# KiCad board multi-channel-cremat-amplifier.kicad_pcb (continued)
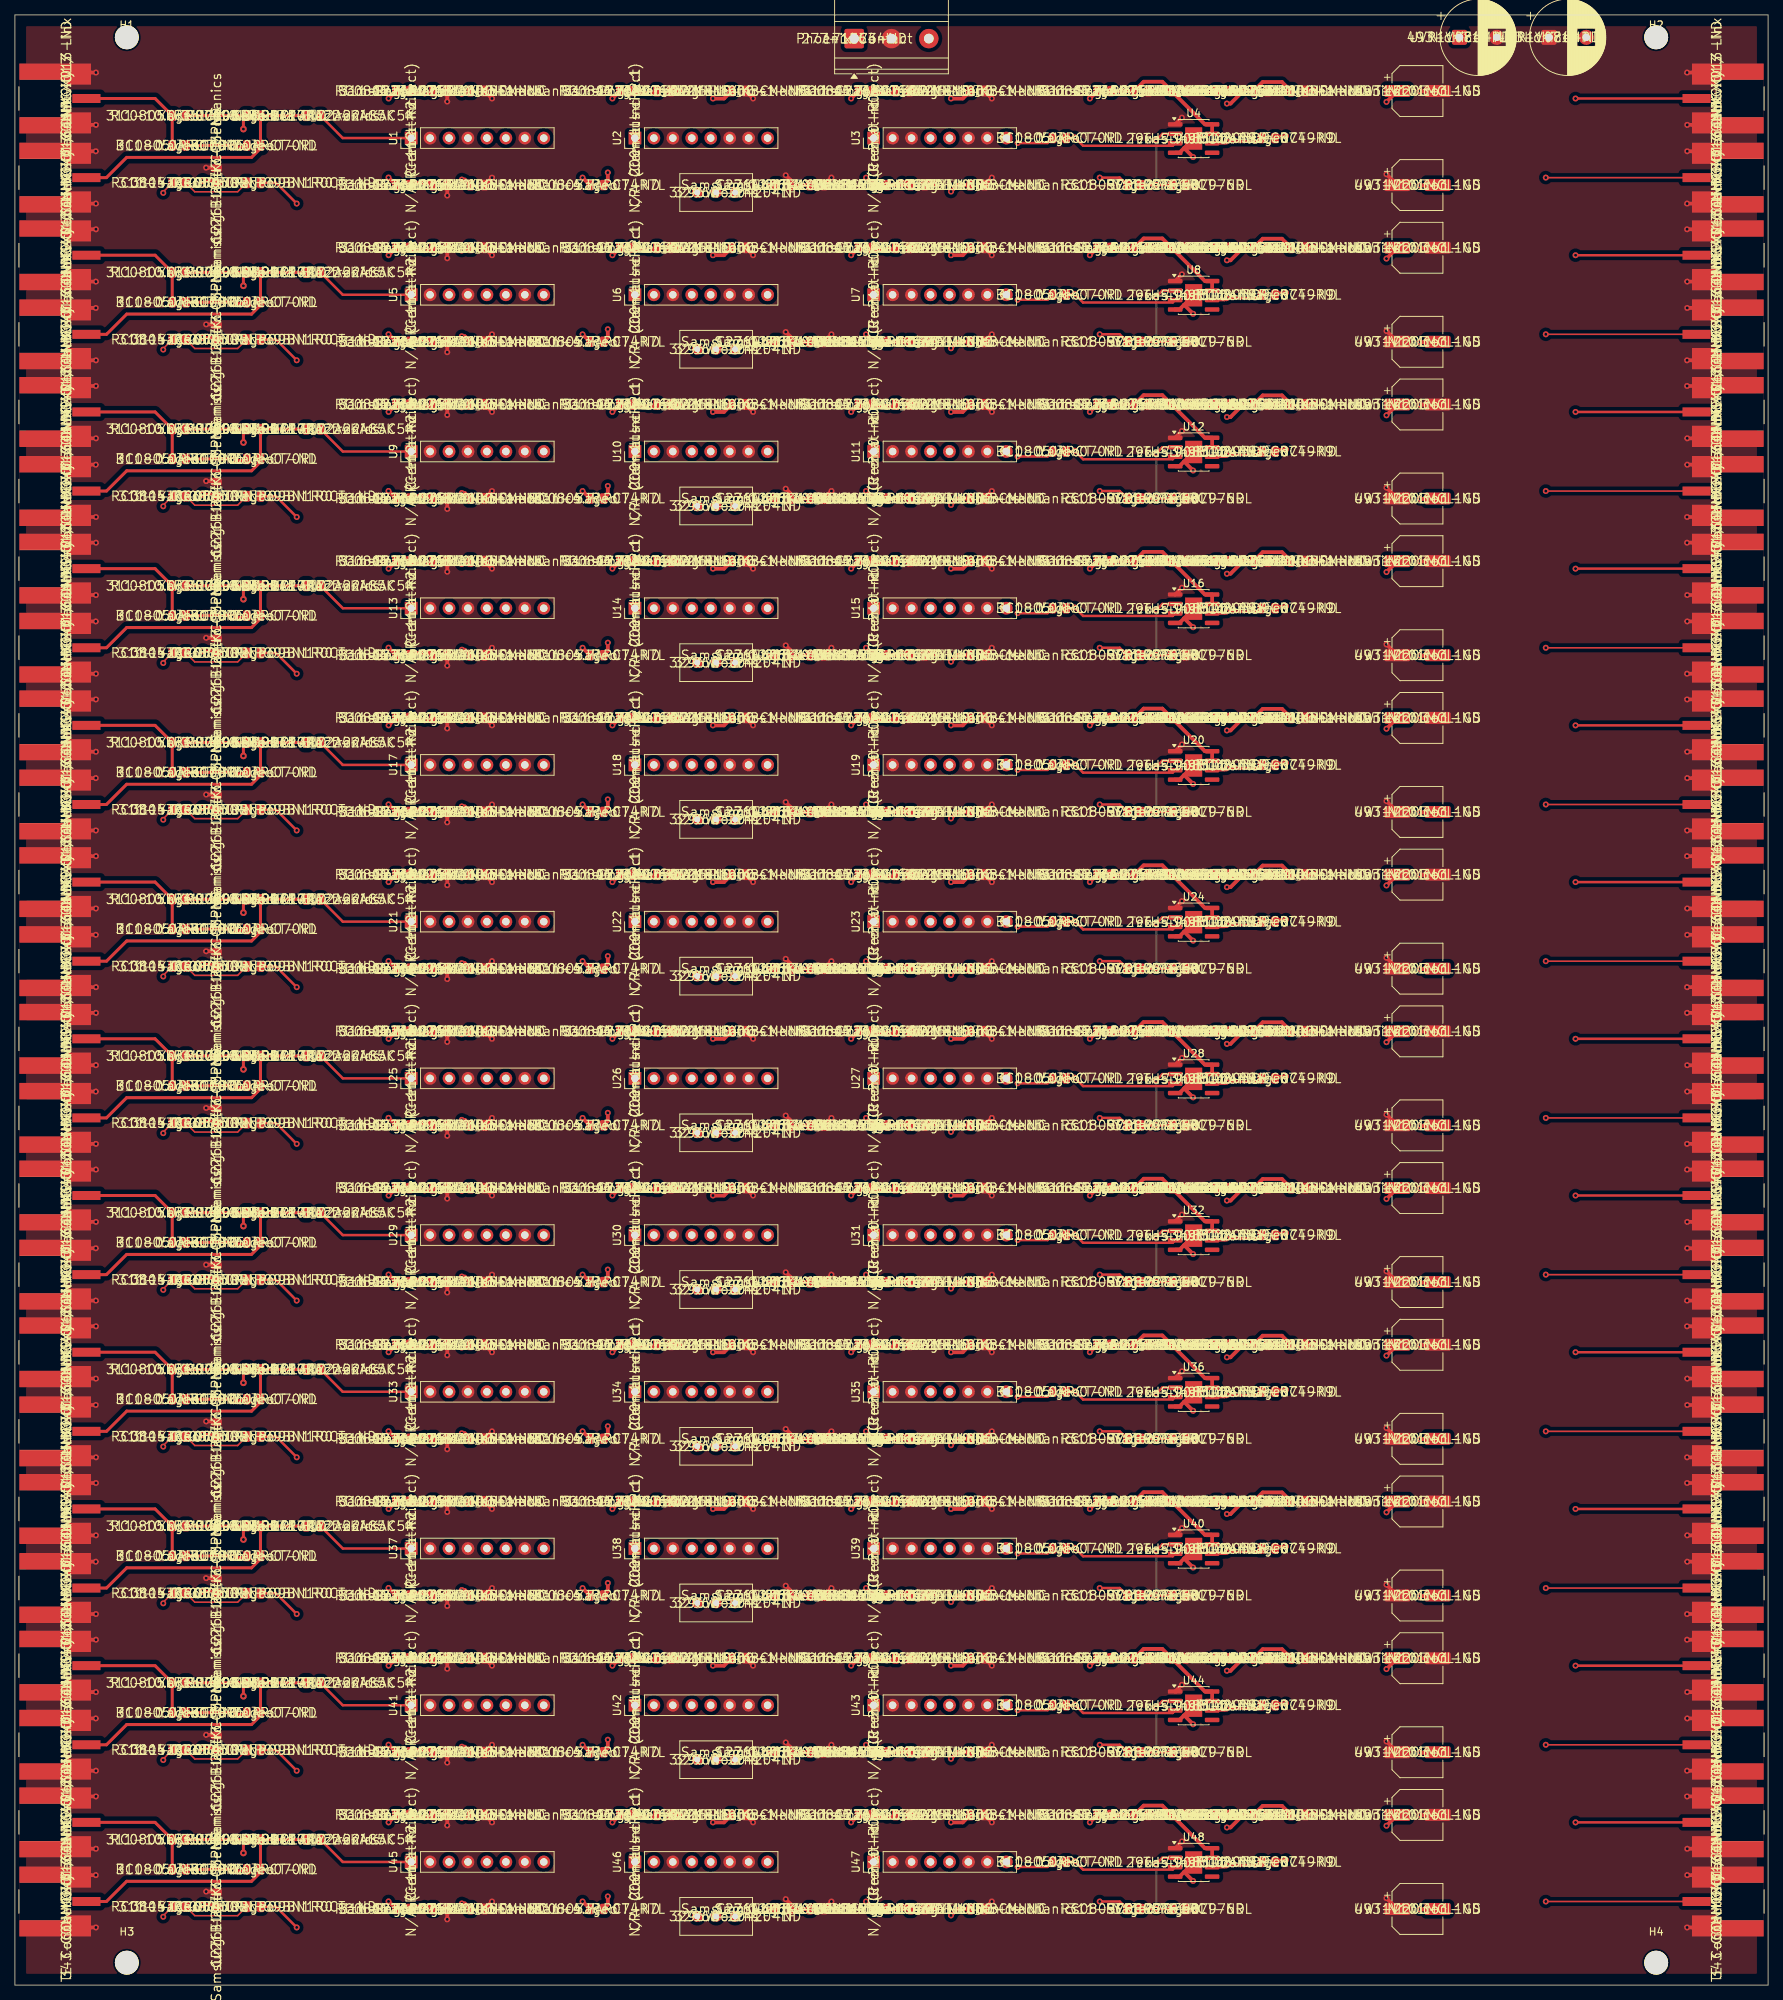
[diagram p0: board, top side]
## Routing (per net, layer and track width the routed paths; a pad name or vN(x,y) marks a point on that pad's centre or on a via; arc(x,y) is an arc through that point) (continued)
/SH_OUT_ch09: length 41.1
  Top w0.33: R148.1 138.42,78.84 v1(134.4,78.84)
  GND.Cu w0.33: U35.1 116.33,79.5 116.33,79.96 117.09,80.72 123.3,80.72 123.96,80.06 123.96,79.02 124.73,78.25 133.82,78.25 v1(134.4,78.84)
  PWR.Cu w0.33: U34.8 U35.1
/SH_OUT_ch10: length 41.1
  Top w0.33: R165.1 138.42,57.84 v1(134.4,57.84)
  GND.Cu w0.33: U39.1 116.33,58.5 116.33,58.96 117.09,59.72 123.3,59.72 123.96,59.06 123.96,58.02 124.73,57.25 133.82,57.25 v1(134.4,57.84)
  PWR.Cu w0.33: U38.8 U39.1
/SH_OUT_ch11: length 41.1
  Top w0.33: v1(134.4,36.84) 138.42,36.84 R182.1
  GND.Cu w0.33: U43.1 116.33,37.5 116.33,37.96 117.09,38.72 123.3,38.72 123.96,38.06 123.96,37.02 124.73,36.25 133.82,36.25 v1(134.4,36.84)
  PWR.Cu w0.33: U42.8 U43.1
/SH_OUT_ch12: length 41.1
  Top w0.33: R199.1 138.42,15.84 v1(134.4,15.84)
  GND.Cu w0.33: U47.1 116.33,16.5 116.33,16.96 117.09,17.72 123.3,17.72 123.96,17.06 123.96,16.02 124.73,15.25 133.82,15.25 v1(134.4,15.84)
  PWR.Cu w0.33: U46.8 U47.1
/SHAPER_OUT_ch01: length 24.5
  Top w0.33: R12.2 141.94,247.5 v1(142.04,247.6) 143.18,246.46 155.19,246.46 U4.3
  PWR.Cu w0.33: v1(142.04,247.6) 132.99,247.6 U3.8
/SHAPER_OUT_ch02: length 24.5
  Top w0.33: U8.3 155.19,225.46 143.18,225.46 v1(142.04,226.6) 141.94,226.5 R29.2
  PWR.Cu w0.33: U7.8 132.99,226.6 v1(142.04,226.6)
/SHAPER_OUT_ch03: length 24.5
  Top w0.33: R46.2 141.94,205.5 v1(142.04,205.6) 143.18,204.46 155.19,204.46 U12.3
  PWR.Cu w0.33: U11.8 132.99,205.6 v1(142.04,205.6)
/SHAPER_OUT_ch04: length 24.5
  Top w0.33: R63.2 141.94,184.5 v1(142.04,184.6) 143.18,183.46 155.19,183.46 U16.3
  PWR.Cu w0.33: U15.8 132.99,184.6 v1(142.04,184.6)
/SHAPER_OUT_ch05: length 24.5
  Top w0.33: U20.3 155.19,162.46 143.18,162.46 v1(142.04,163.6) 141.94,163.5 R80.2
  PWR.Cu w0.33: U19.8 132.99,163.6 v1(142.04,163.6)
/SHAPER_OUT_ch06: length 24.5
  Top w0.33: U24.3 155.19,141.46 143.18,141.46 v1(142.04,142.6) 141.94,142.5 R97.2
  PWR.Cu w0.33: v1(142.04,142.6) 132.99,142.6 U23.8
/SHAPER_OUT_ch07: length 24.5
  Top w0.33: U28.3 155.19,120.46 143.18,120.46 v1(142.04,121.6) 141.94,121.5 R114.2
  PWR.Cu w0.33: U27.8 132.99,121.6 v1(142.04,121.6)
/SHAPER_OUT_ch08: length 24.5
  Top w0.33: R131.2 141.94,100.5 v1(142.04,100.6) 143.18,99.46 155.19,99.46 U32.3
  PWR.Cu w0.33: U31.8 132.99,100.6 v1(142.04,100.6)
/SHAPER_OUT_ch09: length 24.5
  Top w0.33: U36.3 155.19,78.46 143.18,78.46 v1(142.04,79.6) 141.94,79.5 R148.2
  PWR.Cu w0.33: U35.8 132.99,79.6 v1(142.04,79.6)
/SHAPER_OUT_ch10: length 24.5
  Top w0.33: U40.3 155.19,57.46 143.18,57.46 v1(142.04,58.6) 141.94,58.5 R165.2
  PWR.Cu w0.33: U39.8 132.99,58.6 v1(142.04,58.6)
/SHAPER_OUT_ch11: length 24.5
  Top w0.33: R182.2 141.94,37.5 v1(142.04,37.6) 143.18,36.46 155.19,36.46 U44.3
  PWR.Cu w0.33: U43.8 132.99,37.6 v1(142.04,37.6)
/SHAPER_OUT_ch12: length 24.5
  Top w0.33: U48.3 155.19,15.46 143.18,15.46 v1(142.04,16.6) 141.94,16.5 R199.2
  PWR.Cu w0.33: v1(142.04,16.6) 132.99,16.6 U47.8
/SHVN_ch01: length 38.2
  Top w0.5: C10.1 101.96,241.11 v1(100.56,241.11) ; C11.1 105.34,241.2 v1(105.25,241.11) ; R9.2 79.47,241.76 v1(79.47,242.88)
  GND.Cu w0.5: v1(100.56,241.11) 98.04,243.62 94.61,243.62 U2.4 89.43,248.8 82.07,248.8 79.47,246.21 v1(79.47,242.88)
  PWR.Cu w0.5: v1(105.25,241.11) v1(100.56,241.11)
/SHVN_ch02: length 38.2
  Top w0.5: R26.2 79.47,220.76 v1(79.47,221.88) ; v1(105.25,220.11) 105.34,220.2 C32.1 ; C31.1 101.96,220.11 v1(100.56,220.11)
  GND.Cu w0.5: v1(79.47,221.88) 79.47,225.21 82.07,227.8 89.43,227.8 U6.4 94.61,222.62 98.04,222.62 v1(100.56,220.11)
  PWR.Cu w0.5: v1(105.25,220.11) v1(100.56,220.11)
/SHVN_ch03: length 38.2
  Top w0.5: C53.1 105.34,199.2 v1(105.25,199.11) ; R43.2 79.47,199.76 v1(79.47,200.88) ; C52.1 101.96,199.11 v1(100.56,199.11)
  GND.Cu w0.5: v1(79.47,200.88) 79.47,204.21 82.07,206.8 89.43,206.8 U10.4 94.61,201.62 98.04,201.62 v1(100.56,199.11)
  PWR.Cu w0.5: v1(105.25,199.11) v1(100.56,199.11)
/SHVN_ch04: length 38.2
  Top w0.5: R60.2 79.47,178.76 v1(79.47,179.88) ; C74.1 105.34,178.2 v1(105.25,178.11) ; C73.1 101.96,178.11 v1(100.56,178.11)
  GND.Cu w0.5: v1(79.47,179.88) 79.47,183.21 82.07,185.8 89.43,185.8 U14.4 94.61,180.62 98.04,180.62 v1(100.56,178.11)
  PWR.Cu w0.5: v1(105.25,178.11) v1(100.56,178.11)
/SHVN_ch05: length 38.2
  Top w0.5: v1(79.47,158.88) 79.47,157.76 R77.2 ; C94.1 101.96,157.11 v1(100.56,157.11) ; C95.1 105.34,157.2 v1(105.25,157.11)
  GND.Cu w0.5: v1(100.56,157.11) 98.04,159.62 94.61,159.62 U18.4 89.43,164.8 82.07,164.8 79.47,162.21 v1(79.47,158.88)
  PWR.Cu w0.5: v1(105.25,157.11) v1(100.56,157.11)
/SHVN_ch06: length 38.2
  Top w0.5: v1(100.56,136.11) 101.96,136.11 C115.1 ; v1(105.25,136.11) 105.34,136.2 C116.1 ; R94.2 79.47,136.76 v1(79.47,137.88)
  GND.Cu w0.5: v1(100.56,136.11) 98.04,138.62 94.61,138.62 U22.4 89.43,143.8 82.07,143.8 79.47,141.21 v1(79.47,137.88)
  PWR.Cu w0.5: v1(105.25,136.11) v1(100.56,136.11)
/SHVN_ch07: length 38.2
  Top w0.5: C136.1 101.96,115.11 v1(100.56,115.11) ; v1(105.25,115.11) 105.34,115.2 C137.1 ; R111.2 79.47,115.76 v1(79.47,116.88)
  GND.Cu w0.5: v1(79.47,116.88) 79.47,120.21 82.07,122.8 89.43,122.8 U26.4 94.61,117.62 98.04,117.62 v1(100.56,115.11)
  PWR.Cu w0.5: v1(105.25,115.11) v1(100.56,115.11)
/SHVN_ch08: length 38.2
  Top w0.5: v1(105.25,94.11) 105.34,94.2 C158.1 ; v1(100.56,94.11) 101.96,94.11 C157.1 ; v1(79.47,95.88) 79.47,94.76 R128.2
  GND.Cu w0.5: v1(79.47,95.88) 79.47,99.21 82.07,101.8 89.43,101.8 U30.4 94.61,96.62 98.04,96.62 v1(100.56,94.11)
  PWR.Cu w0.5: v1(105.25,94.11) v1(100.56,94.11)
/SHVN_ch09: length 38.2
  Top w0.5: C179.1 105.34,73.2 v1(105.25,73.11) ; v1(100.56,73.11) 101.96,73.11 C178.1 ; R145.2 79.47,73.76 v1(79.47,74.88)
  GND.Cu w0.5: v1(100.56,73.11) 98.04,75.62 94.61,75.62 U34.4 89.43,80.8 82.07,80.8 79.47,78.21 v1(79.47,74.88)
  PWR.Cu w0.5: v1(105.25,73.11) v1(100.56,73.11)
/SHVN_ch10: length 38.2
  Top w0.5: C200.1 105.34,52.2 v1(105.25,52.11) ; v1(79.47,53.88) 79.47,52.76 R162.2 ; C199.1 101.96,52.11 v1(100.56,52.11)
  GND.Cu w0.5: v1(79.47,53.88) 79.47,57.21 82.07,59.8 89.43,59.8 U38.4 94.61,54.62 98.04,54.62 v1(100.56,52.11)
  PWR.Cu w0.5: v1(105.25,52.11) v1(100.56,52.11)
/SHVN_ch11: length 38.2
  Top w0.5: C220.1 101.96,31.11 v1(100.56,31.11) ; v1(105.25,31.11) 105.34,31.2 C221.1 ; R179.2 79.47,31.76 v1(79.47,32.88)
  GND.Cu w0.5: v1(79.47,32.88) 79.47,36.21 82.07,38.8 89.43,38.8 U42.4 94.61,33.62 98.04,33.62 v1(100.56,31.11)
  PWR.Cu w0.5: v1(105.25,31.11) v1(100.56,31.11)
/SHVN_ch12: length 38.2
  Top w0.5: R196.2 79.47,10.76 v1(79.47,11.88) ; C242.1 105.34,10.2 v1(105.25,10.11) ; v1(100.56,10.11) 101.96,10.11 C241.1
  GND.Cu w0.5: v1(100.56,10.11) 98.04,12.62 94.61,12.62 U46.4 89.43,17.8 82.07,17.8 79.47,15.21 v1(79.47,11.88)
  PWR.Cu w0.5: v1(105.25,10.11) v1(100.56,10.11)
/SHVP_ch01: length 20.6
  Top w0.5: C9.1 95.05,252.8 v1(93.57,252.8) ; R8.2 83.18,253.53 v1(84.95,253.53) 85.78,253.53 C8.1
  GND.Cu w0.5: v1(84.95,253.53) 85.68,252.8 v1(93.57,252.8) 93.57,247.8 U2.5
/SHVP_ch02: length 20.6
  Top w0.5: R25.2 83.18,232.53 v1(84.95,232.53) 85.78,232.53 C29.1 ; v1(93.57,231.8) 95.05,231.8 C30.1
  GND.Cu w0.5: v1(84.95,232.53) 85.68,231.8 v1(93.57,231.8) 93.57,226.8 U6.5
/SHVP_ch03: length 20.6
  Top w0.5: C50.1 85.78,211.53 v1(84.95,211.53) 83.18,211.53 R42.2 ; v1(93.57,210.8) 95.05,210.8 C51.1
  GND.Cu w0.5: v1(84.95,211.53) 85.68,210.8 v1(93.57,210.8) 93.57,205.8 U10.5
/SHVP_ch04: length 20.6
  Top w0.5: C71.1 85.78,190.53 v1(84.95,190.53) 83.18,190.53 R59.2 ; C72.1 95.05,189.8 v1(93.57,189.8)
  GND.Cu w0.5: v1(84.95,190.53) 85.68,189.8 v1(93.57,189.8) 93.57,184.8 U14.5
/SHVP_ch05: length 20.6
  Top w0.5: R76.2 83.18,169.53 v1(84.95,169.53) 85.78,169.53 C92.1 ; C93.1 95.05,168.8 v1(93.57,168.8)
  GND.Cu w0.5: v1(84.95,169.53) 85.68,168.8 v1(93.57,168.8) 93.57,163.8 U18.5
/SHVP_ch06: length 20.6
  Top w0.5: C114.1 95.05,147.8 v1(93.57,147.8) ; C113.1 85.78,148.53 v1(84.95,148.53) 83.18,148.53 R93.2
  GND.Cu w0.5: U22.5 93.57,142.8 v1(93.57,147.8) 85.68,147.8 v1(84.95,148.53)
/SHVP_ch07: length 20.6
  Top w0.5: C135.1 95.05,126.8 v1(93.57,126.8) ; R110.2 83.18,127.53 v1(84.95,127.53) 85.78,127.53 C134.1
  GND.Cu w0.5: v1(84.95,127.53) 85.68,126.8 v1(93.57,126.8) 93.57,121.8 U26.5
/SHVP_ch08: length 20.6
  Top w0.5: C156.1 95.05,105.8 v1(93.57,105.8) ; C155.1 85.78,106.53 v1(84.95,106.53) 83.18,106.53 R127.2
  GND.Cu w0.5: U30.5 93.57,100.8 v1(93.57,105.8) 85.68,105.8 v1(84.95,106.53)
/SHVP_ch09: length 20.6
  Top w0.5: v1(93.57,84.8) 95.05,84.8 C177.1 ; R144.2 83.18,85.53 v1(84.95,85.53) 85.78,85.53 C176.1
  GND.Cu w0.5: U34.5 93.57,79.8 v1(93.57,84.8) 85.68,84.8 v1(84.95,85.53)
/SHVP_ch10: length 20.6
  Top w0.5: C197.1 85.78,64.53 v1(84.95,64.53) 83.18,64.53 R161.2 ; v1(93.57,63.8) 95.05,63.8 C198.1
  GND.Cu w0.5: U38.5 93.57,58.8 v1(93.57,63.8) 85.68,63.8 v1(84.95,64.53)
/SHVP_ch11: length 20.6
  Top w0.5: R178.2 83.18,43.53 v1(84.95,43.53) 85.78,43.53 C218.1 ; v1(93.57,42.8) 95.05,42.8 C219.1
  GND.Cu w0.5: U42.5 93.57,37.8 v1(93.57,42.8) 85.68,42.8 v1(84.95,43.53)
/SHVP_ch12: length 20.6
  Top w0.5: R195.2 83.18,22.53 v1(84.95,22.53) 85.78,22.53 C239.1 ; C240.1 95.05,21.8 v1(93.57,21.8)
  GND.Cu w0.5: U46.5 93.57,16.8 v1(93.57,21.8) 85.68,21.8 v1(84.95,22.53)
/TEST_IN_ch01: length 210
  Top w0.203: J3.1 v1(205.2,242.2) ; v1(19.88,240.15) 19.88,240.3 R5.1
  GND.Cu w0.203: v1(19.88,240.15) 22.03,238.01 201.02,238.01 v1(205.2,242.2)
/TEST_IN_ch02: length 210
  Top w0.203: J7.1 v1(205.2,221.2) ; v1(19.88,219.15) 19.88,219.3 R22.1
  GND.Cu w0.203: v1(19.88,219.15) 22.03,217.01 201.02,217.01 v1(205.2,221.2)
/TEST_IN_ch03: length 210
  Top w0.203: J11.1 v1(205.2,200.2) ; v1(19.88,198.15) 19.88,198.3 R39.1
  GND.Cu w0.203: v1(205.2,200.2) 201.02,196.01 22.03,196.01 v1(19.88,198.15)
/TEST_IN_ch04: length 210
  Top w0.203: v1(19.88,177.15) 19.88,177.3 R56.1 ; J15.1 v1(205.2,179.2)
  GND.Cu w0.203: v1(19.88,177.15) 22.03,175.01 201.02,175.01 v1(205.2,179.2)
/TEST_IN_ch05: length 210
  Top w0.203: J19.1 v1(205.2,158.2) ; v1(19.88,156.15) 19.88,156.3 R73.1
  GND.Cu w0.203: v1(205.2,158.2) 201.02,154.01 22.03,154.01 v1(19.88,156.15)
/TEST_IN_ch06: length 210
  Top w0.203: v1(19.88,135.15) 19.88,135.3 R90.1 ; J23.1 v1(205.2,137.2)
  GND.Cu w0.203: v1(19.88,135.15) 22.03,133.01 201.02,133.01 v1(205.2,137.2)
/TEST_IN_ch07: length 210
  Top w0.203: R107.1 19.88,114.3 v1(19.88,114.15) ; J27.1 v1(205.2,116.2)
  GND.Cu w0.203: v1(19.88,114.15) 22.03,112.01 201.02,112.01 v1(205.2,116.2)
/TEST_IN_ch08: length 210
  Top w0.203: v1(19.88,93.15) 19.88,93.3 R124.1 ; J31.1 v1(205.2,95.2)
  GND.Cu w0.203: v1(205.2,95.2) 201.02,91.01 22.03,91.01 v1(19.88,93.15)
/TEST_IN_ch09: length 210
  Top w0.203: v1(19.88,72.15) 19.88,72.3 R141.1 ; J35.1 v1(205.2,74.2)
  GND.Cu w0.203: v1(205.2,74.2) 201.02,70.01 22.03,70.01 v1(19.88,72.15)
/TEST_IN_ch10: length 210
  Top w0.203: v1(19.88,51.15) 19.88,51.3 R158.1 ; J39.1 v1(205.2,53.2)
  GND.Cu w0.203: v1(205.2,53.2) 201.02,49.01 22.03,49.01 v1(19.88,51.15)
/TEST_IN_ch11: length 210
  Top w0.203: R175.1 19.88,30.3 v1(19.88,30.15) ; J43.1 v1(205.2,32.2)
  GND.Cu w0.203: v1(205.2,32.2) 201.02,28.01 22.03,28.01 v1(19.88,30.15)
/TEST_IN_ch12: length 210
  Top w0.203: R192.1 19.88,9.3 v1(19.88,9.15) ; J47.1 v1(205.2,11.2)
  GND.Cu w0.203: v1(205.2,11.2) 201.02,7.01 22.03,7.01 v1(19.88,9.15)
/TEST_N_ch01: length 9.1
  Top w0.203: R5.2 24.11,240.3 29.85,240.3 C3.1
/TEST_N_ch02: length 9.1
  Top w0.203: C24.1 29.85,219.3 24.11,219.3 R22.2
/TEST_N_ch03: length 9.1
  Top w0.203: C45.1 29.85,198.3 24.11,198.3 R39.2
/TEST_N_ch04: length 9.1
  Top w0.203: R56.2 24.11,177.3 29.85,177.3 C66.1
/TEST_N_ch05: length 9.1
  Top w0.203: C87.1 29.85,156.3 24.11,156.3 R73.2
/TEST_N_ch06: length 9.1
  Top w0.203: R90.2 24.11,135.3 29.85,135.3 C108.1
/TEST_N_ch07: length 9.1
  Top w0.203: C129.1 29.85,114.3 24.11,114.3 R107.2
/TEST_N_ch08: length 9.1
  Top w0.203: C150.1 29.85,93.3 24.11,93.3 R124.2
/TEST_N_ch09: length 9.1
  Top w0.203: C171.1 29.85,72.3 24.11,72.3 R141.2
/TEST_N_ch10: length 9.1
  Top w0.203: R158.2 24.11,51.3 29.85,51.3 C192.1
/TEST_N_ch11: length 9.1
  Top w0.203: R175.2 24.11,30.3 29.85,30.3 C213.1
/TEST_N_ch12: length 9.1
  Top w0.203: R192.2 24.11,9.3 29.85,9.3 C234.1

## Copper pours and planes (outline as drawn; the poured copper is in the pictures)
GND on Top: 1.5,262.5 233.5,262.5 233.5,1.5 1.5,1.5
GND on GND.Cu: 1.5,262.5 233.5,262.5 233.5,1.5 1.5,1.5
+VDC on Bottom: 1.5,262.5 233.5,262.5 233.5,1.5 1.5,1.5
-VDC on PWR.Cu: 1.5,262.5 233.5,262.5 233.5,1.5 1.5,1.5
